# Altium PCB Main_Board.PcbDoc (part 1 of 2) (continued)
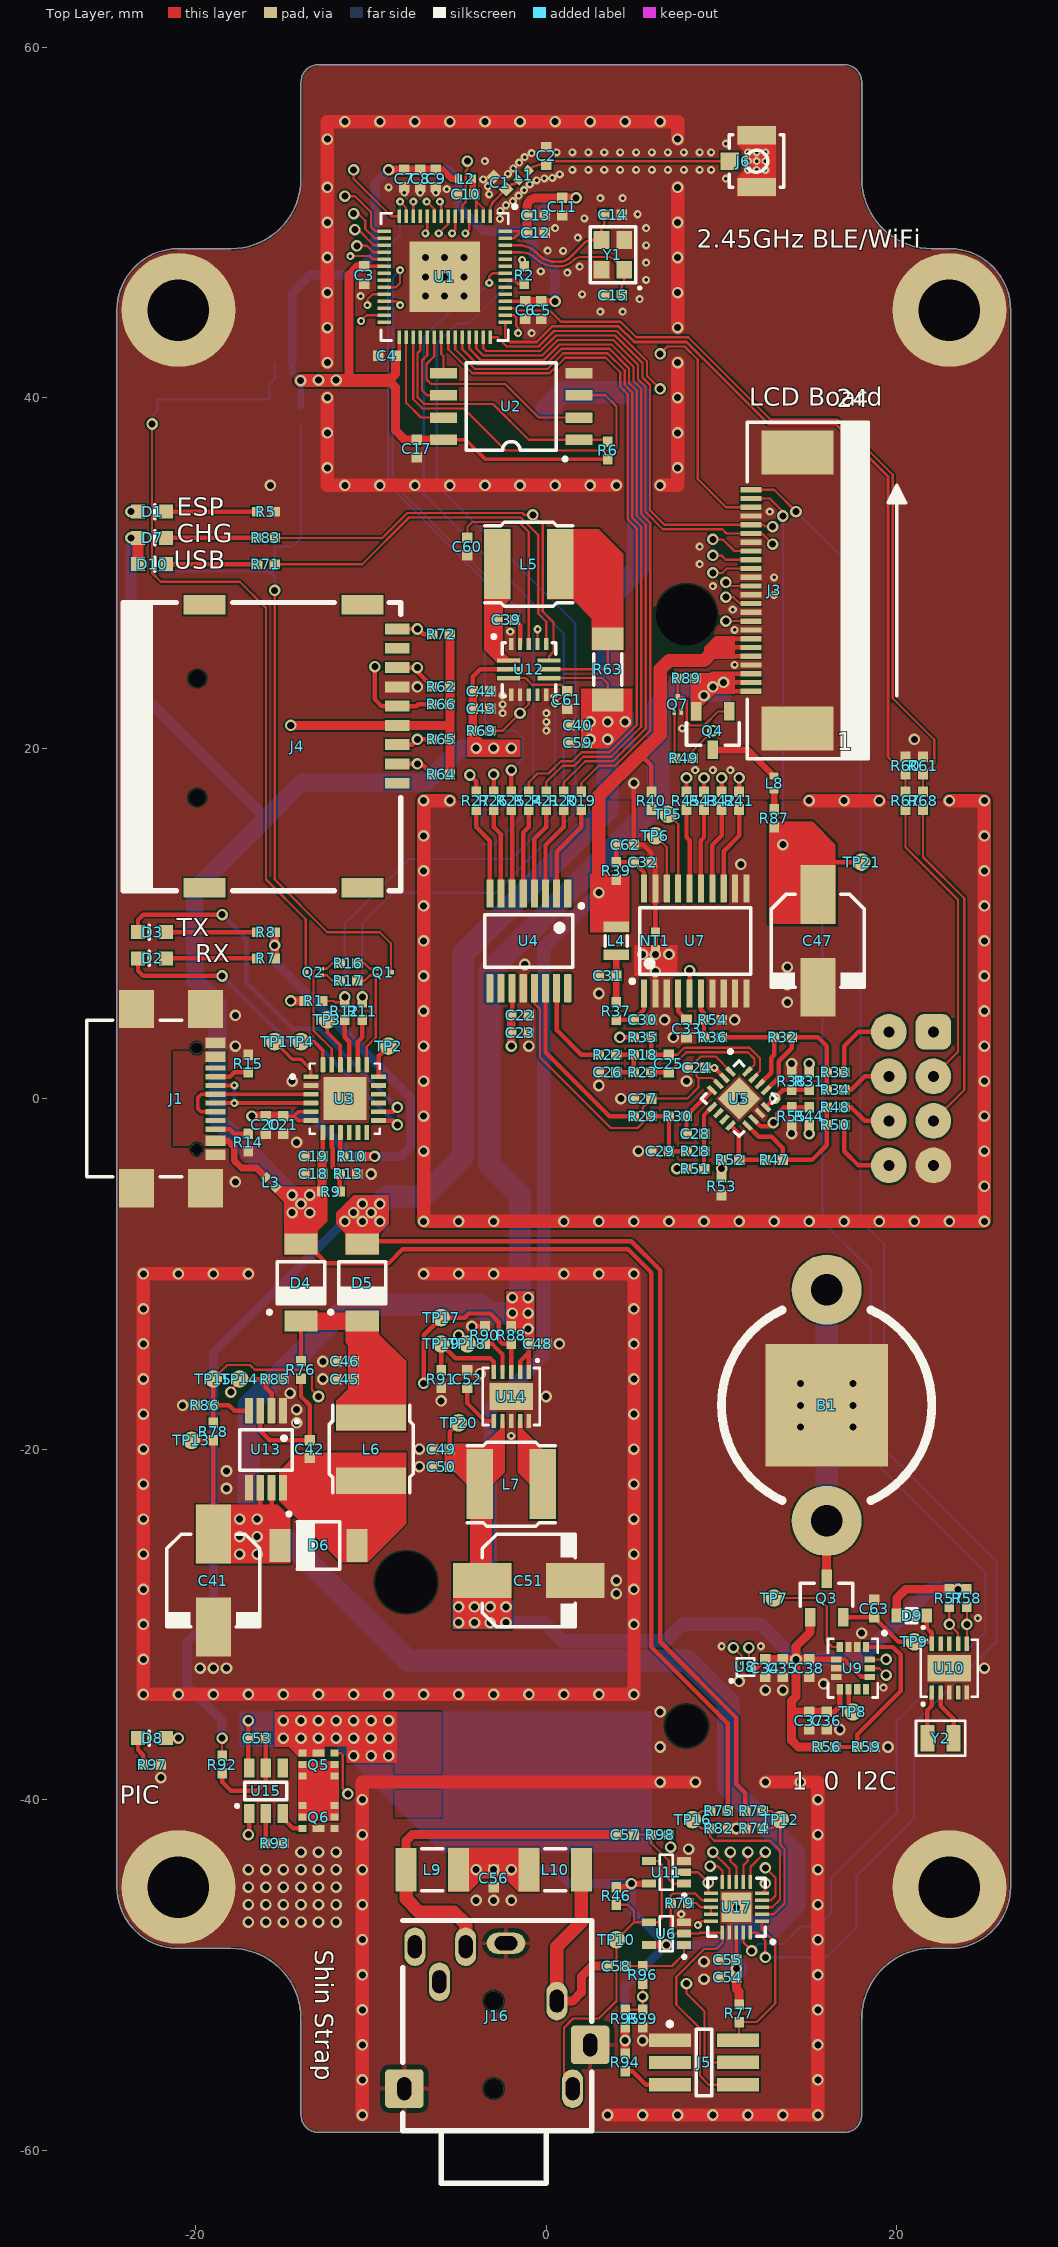
[diagram p0: Top Layer view]
## Components (designator, comment, footprint, x,y, rotation, side; value= is the part's Value field where it differs from the comment) (continued)
TP17 "TESTPOINT" TESTPOINT,SMD,ROUND,1MM -6,-12.5 r90 top
TP18 "TESTPOINT" TESTPOINT,SMD,ROUND,1MM -4.5,-14 r90 top
TP19 "TESTPOINT" TESTPOINT,SMD,ROUND,1MM -6,-14 r90 top
TP20 "TESTPOINT" TESTPOINT,SMD,ROUND,1MM -5,-18.5 r90 top
TP21 "TESTPOINT" TESTPOINT,SMD,ROUND,1MM 18,13.5 r180 top
U1 "ESP32-S3R8" IC,QFN-56,7X7,P0.4MM -5.8,46.9 r270 top
U2 "AT25SF128A-SHB-T" IC,SOIC-8,1.27MM,W5.28 -2,39.5 r180 top
U3 "CP2102N-A02-GQFN24R" IC,VQFN-24,THERMAL,4X4 -11.5,0 r0 top
U4 "PCM1780DBQR" IC,TSSOP-16,W3.9,P0.635MM -1,9 r270 top
U5 "TLV9004SIRTER" IC,QFN-16,3X3 11,0 r315 top
U6 "NS5B1G384DFT2G" SC70-5 6.85,-47.65 r180 top
U7 "MCP3561RT-E/ST" IC,TSSOP-20,W4.4 8.5,9 r90 top
U8 "MMC5633NJL" IC,WLP,2X2,P0.4MM 11.164,-32.627 r90 top
U9 "ISM330DHCXTR" IC,LGA-14L,2.5X3MM 17.5,-32.5 r270 top
U10 "PCF85063ATL/1,118" IC,DFN-10_3X3,P0.5MM 23,-32.5 r90 top
U11 "NS5B1G384DFT2G" SC70-5 6.85,-44.15 r180 top
U12 "MP2615AGQ-Z" IC,QFN-16,3x3,P5x3 -1,24.5 r0 top
U13 "LM2623AMM/NOPB" IC,TSSOP-8,W3.0 -16,-20 r270 top
U14 "RP506K331B-TR" IC,DFN-10_3X3,P0.5MM -2,-17 r270 top
U15 "AP9101CAK6-ANTRG1" SOT23-6 -16,-39.5 r90 top
U17 "PIC18F14Q40-I/REB" IC,QFN-20,3X3,PAD,P0.4 10.85,-46.15 r180 top
Y1 "40MHz" "XTAL,SMD,4 PIN,2X2.5MM" 3.8,48.15 r90 top
Y2 "32.768kHz" XTAL,SMD,2PIN,2.0X1.2MM 22.5,-36.5 r180 top

## Footprints (in the part's own frame and the unit in brackets; to place one, negate y for a bottom-side part, rotate by r counter-clockwise, add the part's x,y. Pads: shape width x height; smd on the part's side, far side on the other; paste and mask are expansions set on the pad)
CAP,ALUM,SMD,D5,H5.8 [mm] "Panasonic EEE-1AA101WR"
  rect 3.35x2 smd: 1(-2.65,0) 2(2.65,0)
  silkscreen extent -2.65,-2.65 2.65,2.65, body extent -2.95,-2.65 2.95,2.65, height 5.41
Cap,Alum,SMD,D5,H5.8 [mm] "Panasonic EEE-1AA101WR"
  rect 3.35x2 smd: 1(-2.65,0) 2(2.65,0)
  silkscreen extent -2.65,-2.65 2.65,2.65, body extent -2.95,-2.65 2.95,2.65, height 5.41
CAP,SMD,0402 [mm] "KEMET C0402C100K5GACTU"
  rect 0.6x0.6 smd: 1(-0.5,0) 2(0.5,0)
  body extent -0.5,-0.25 0.5,0.25, height 0.5
Cap,SMD,0402 [mm] "KEMET C0402C100K5GACTU"
  rect 0.6x0.6 smd: 1(-0.5,0) 2(0.5,0)
  body extent -0.5,-0.25 0.5,0.25, height 0.5
CONN,FFC,BOTTOM,24POS,0.5MM [mm] "Adam Tech PCA-6-LA-24-HL-3"
  rect 2.5x4.1 smd mask+0.05: 0(-7.87,1.325) 0(7.87,1.325)
  rect 0.3x1.2 smd mask+0.05: 1(5.75,-1.325) 2(5.25,-1.325) 3(4.75,-1.325) 4(4.25,-1.325) 5(3.75,-1.325) 6(3.25,-1.325) 7(2.75,-1.325) 8(2.25,-1.325) 9(1.75,-1.325) 10(1.25,-1.325) 11(0.75,-1.325) 12(0.25,-1.325) 13(-0.25,-1.325) 14(-0.75,-1.325) 15(-1.25,-1.325) 16(-1.75,-1.325) 17(-2.25,-1.325) 18(-2.75,-1.325) 19(-3.25,-1.325) 20(-3.75,-1.325) 21(-4.25,-1.325) 22(-4.75,-1.325) 23(-5.25,-1.325) 24(-5.75,-1.325)
  silkscreen extent -9.6,-1.52 9.6,5.38, body extent -9.35,-1.5 9.35,5.1, height 2.3
CONN,JACK,TRS,3.5MM,THRU,SHIELDED [mm] "CUI Devices SJ-435107RS"
  rrect20% 2.2x2.2 hole 0.8 slot 1.3 at 0 deg mask+0.05: 0(2.4,5.1) 0(4.9,-5.5)
  rrect100% 1.2x2.2 hole 0.8 slot 1.3 at 90 deg mask+0.05: 1(10.7,-0.7)
  rrect100% 2.2x1.2 hole 0.8 slot 1.3 at 0 deg mask+0.05: 2(7.4,-3.6) 3(10.5,1.6) 4(2.4,-4.5) 5(8.5,3.1) 6(10.5,4.5)
  round 1.1 hole 1.1 unplated: ""(2.4,0) ""(7.4,0)
  silkscreen extent -3,-5.6 12,5.2, body extent -3,-5.85 12,5.45, height 8.3
CONN,MICROSD,PUSH-PUSH,SMD [mm] "GCT MEM2075-00-140-01-A"
  rect 1.1x2.4 smd mask+0.05: 0(-10.18,-11) 0(-10.18,-2) 0(5.97,-11) 0(5.97,-2)
  round 0 hole 0.95 unplated mask+0.05: 0(-5.98,-11.42) 1(0.82,-11.42)
  rect 0.62x1.4 smd mask+0.05: 1(0,0) 2(-1.1,0) 3(-2.2,0) 4(-3.3,0) 5(-4.4,0) 6(-5.5,0) 7(-6.6,0) 8(-7.7,0) 9(-8.8,0)
  silkscreen extent -10.31,-15.65 6.13,0.2, body extent -10.31,-15.65 6.13,0.2, height 1.4
CONN,SPRING,PISTON,8POS,THRU [mil] "Mill Max Manufacturing Corp. 823-22-008-10-002101"
  rrect50% 80x80 hole 25 mask+1.97: 1(0,0)
  round 80 hole 25 mask+1.97: 2(100,0) 3(200,0) 4(300,0) 5(300,100) 6(200,100) 7(100,100) 8(0,100)
  silkscreen extent -50,-50 350,150, body extent -50,-50 350,150, height 197
CONN,UFL,50Ohm,SMD [mm] "Hirose U.FL-R-SMT-1(40)"
  rect 1x1.05 smd mask+0.05: 1(0,-1.525)
  rect 1.05x2.2 smd mask+0.05: 2(-1.475,0) 2(1.475,0)
  silkscreen extent -1.5,-1.55 1.5,1.55, body extent -1.5,-1.55 1.5,1.55, height 1.24
CONN,USB_C,SMD [mm] "GCT USB4110-GF-A"
  rect 2.18x2 smd: 0(-5.11,0.5) 0(-5.11,-3.43) 0(5.11,0.5) 0(5.11,-3.43)
  rect 0.6x1.15 smd: A1/B12(-3.2,1.075) A4/B9(-2.4,1.075) A9/B4(2.4,1.075) A12/B1(3.2,1.075)
  rect 0.3x1.15 smd: A5(-1.25,1.075) A6(-0.25,1.075) A7(0.25,1.075) A8(1.25,1.075) B5(1.75,1.075) B6(0.75,1.075) B7(-0.75,1.075) B8(-1.75,1.075)
  round 0.65 hole 0.65 unplated: ""(-2.89,0) ""(2.89,0)
  silkscreen extent -4.47,-6.28 4.47,-0.86, body extent -5.65,-6.28 5.65,1.42, height 3.26
HOLDER,CELL,18650,SMD [mm] "Keystone Electronics 1042"
  round 0 hole 3.5 unplated mask+0.05: 0(-27.6,-8) 0(27.6,8)
  round 0 hole 2.4 unplated mask+0.05: 0(35.8,-8)
  rect 7.3x12 smd mask+0.05: 1(-39.35,0) 2(39.35,0)
  silkscreen extent -39,-10.33 39,10.33, body extent -43,-10.33 43,10.33, height 14.86
HOLDER,CELL,LR44,PCB,THRU [mm] "Keystone Electronics 2997"
  round 4 hole 1.8 mask+0.05: 1(-6.6,0) 1(6.6,0)
  rect 7x7 smd mask+0.05: 2(0,0)
  silkscreen extent -5.44,-6 5.44,6, body extent -7.45,-5.08 7.45,6.98, height 6.25
IC,DFN-10_3X3,P0.5MM [mil] "Microchip Technology MCP73833-BZI/MF"
  rect 32x10 smd paste+0 mask+1.97: 1(-55,39.37) 2(-55,19.68) 3(-55,0) 4(-55,-19.69) 5(-55,-39.37) 6(55,-39.37) 7(55,-19.69) 8(55,0) 9(55,19.68) 10(55,39.37)
  rect 60x98 smd paste+0 mask+0: 11(0,0)
  silkscreen extent -84,-64 64,64, body extent -59,-59 59,59, height 37
IC,LGA-14L,2.5X3MM [mil] "STMicroelectronics ISM330DHCXTR"
  rect 23x14 smd paste+0 mask+1.97: 1(-47.5,29.54) 2(-47.5,9.85) 3(-47.5,-9.85) 4(-47.5,-29.54) 8(47.5,-29.54) 9(47.5,-9.85) 10(47.5,9.85) 11(47.5,29.54)
  rect 14x23 smd paste+0 mask+1.97: 5(-19.69,-37.74) 6(0,-37.74) 7(19.69,-37.74) 12(19.69,37.74) 13(0,37.74) 14(-19.69,37.74)
  silkscreen extent -82,-56 66,75, body extent -61,-51 61,51, height 65
IC,QFN-16,3X3 [mm] "Nordic Semiconductor NRF24L01P"
  rect 0.65x0.25 smd: 1(-1.425,0.75) 2(-1.425,0.25) 3(-1.425,-0.25) 4(-1.425,-0.75) 9(1.425,-0.75) 10(1.425,-0.25) 11(1.425,0.25) 12(1.425,0.75)
  rect 0.25x0.65 smd: 5(-0.75,-1.425) 6(-0.25,-1.425) 7(0.25,-1.425) 8(0.75,-1.425) 13(0.75,1.425) 14(0.25,1.425) 15(-0.25,1.425) 16(-0.75,1.425)
  rect 1.7x1.7 smd mask+0.05: 17(0,0)
  silkscreen extent -2.35,-1.53 1.53,1.65, body extent -1.52,-1.55 1.52,1.49, height 0.9
IC,QFN-16,3x3,P5x3 [mm] "Nordic Semiconductor NRF24L01P"
  rect 1.3x0.25 smd mask+0.05: 1(-1.15,0.5) 2(-1.15,0) 3(-1.15,-0.5) 9(1.15,-0.5) 10(1.15,0) 11(1.15,0.5)
  rect 0.25x0.7 smd mask+0.05: 4(-1,-1.45) 5(-0.5,-1.45) 6(0,-1.45) 7(0.5,-1.45) 8(1,-1.45) 12(1,1.45) 13(0.5,1.45) 14(0,1.45) 15(-0.5,1.45) 16(-1,1.45)
  silkscreen extent -2.1,-1.53 1.53,1.96, body extent -1.5,-1.5 1.5,1.5, height 1.1
IC,QFN-20,3X3,PAD,P0.4 [mm] "Semtech SX1508B"
  rect 0.8x0.2 smd mask+0.05: 1(-1.45,0.8) 2(-1.45,0.4) 3(-1.45,0) 4(-1.45,-0.4) 5(-1.45,-0.8) 11(1.45,-0.8) 12(1.45,-0.4) 13(1.45,0) 14(1.45,0.4) 15(1.45,0.8)
  rect 0.2x0.8 smd mask+0.05: 6(-0.8,-1.45) 7(-0.4,-1.45) 8(0,-1.45) 9(0.4,-1.45) 10(0.8,-1.45) 16(0.8,1.45) 17(0.4,1.45) 18(0,1.45) 19(-0.4,1.45) 20(-0.8,1.45)
  rect 1.7x1.7 smd mask+0.05: 21(0,0)
  silkscreen extent -2.17,-1.65 1.65,2.07, body extent -1.55,-1.55 1.55,1.55, height 0.6
IC,QFN-56,7X7,P0.4MM [mil] "Espressif Systems ESP32-S2"
  rect 30x8 smd paste+0 mask+0: 1(-136,102.36) 2(-136,86.61) 3(-136,70.87) 4(-136,55.12) 5(-136,39.37) 6(-136,23.62) 7(-136,7.87) 8(-136,-7.87) 9(-136,-23.62) 10(-136,-39.37) 11(-136,-55.12) 12(-136,-70.87) 13(-136,-86.61) 14(-136,-102.36) 29(136,-102.36) 30(136,-86.61) 31(136,-70.87) 32(136,-55.12) 33(136,-39.37) 34(136,-23.62) 35(136,-7.87) 36(136,7.87) 37(136,23.62) 38(136,39.37) 39(136,55.12) 40(136,70.87) 41(136,86.61) 42(136,102.36)
  rect 8x30 smd paste+0 mask+0: 15(-102.36,-136) 16(-86.61,-136) 17(-70.87,-136) 18(-55.12,-136) 19(-39.37,-136) 20(-23.62,-136) 21(-7.87,-136) 22(7.87,-136) 23(23.62,-136) 24(39.37,-136) 25(55.12,-136) 26(70.87,-136) 27(86.61,-136) 28(102.36,-136) 43(102.36,136) 44(86.61,136) 45(70.87,136) 46(55.12,136) 47(39.37,136) 48(23.62,136) 49(7.87,136) 50(-7.87,136) 51(-23.62,136) 52(-39.37,136) 53(-55.12,136) 54(-70.87,136) 55(-86.61,136) 56(-102.36,136)
  rect 158x158 smd paste-78.5 mask+0: 57(0,0)
  silkscreen extent -161,-143 143,161, body extent -139,-139 139,139, height 35
IC,SOIC-8,1.27MM,W5.28 [mm] "Winbond W25Q64JV"
  rrect10% 1.55x0.6 smd mask+0.05: 1(-3.87,1.905) 2(-3.87,0.635) 3(-3.87,-0.635) 4(-3.87,-1.905) 5(3.87,-1.905) 6(3.87,-0.635) 7(3.87,0.635) 8(3.87,1.905)
  silkscreen extent -3.14,-2.5 2.57,3.07, body extent -4.05,-2.73 4.05,2.73, height 1.75
IC,TSSOP-8,W3.0 [mm] "Texas Instruments LM393ADGKR"
  rrect10% 1.45x0.45 smd mask+0.05: 1(-2.2,0.975) 2(-2.2,0.325) 3(-2.2,-0.325) 4(-2.2,-0.975) 5(2.2,-0.975) 6(2.2,-0.325) 7(2.2,0.325) 8(2.2,0.975)
  silkscreen extent -1.61,-1.5 1.2,1.81, body extent -2.05,-1.55 2.05,1.55, height 1.1
IC,TSSOP-16,W3.9,P0.635MM [mm] "Texas Instruments PCM1780DBQR"
  rrect10% 1.6x0.41 smd mask+0.05: 1(-2.7,2.222) 2(-2.7,1.587) 3(-2.7,0.952) 4(-2.7,0.317) 5(-2.7,-0.318) 6(-2.7,-0.953) 7(-2.7,-1.588) 8(-2.7,-2.223) 9(2.7,-2.222) 10(2.7,-1.587) 11(2.7,-0.953) 12(2.7,-0.317) 13(2.7,0.318) 14(2.7,0.953) 15(2.7,1.588) 16(2.7,2.223)
  silkscreen extent -2.09,-2.5 1.5,3.09, body extent -3,-2.49 3,2.49, height 1.1
IC,TSSOP-20,W4.4 [mm] "Texas Instruments SN74LVC244APWR"
  rrect10% 1.6x0.35 smd mask+0.05: 1(-3,2.925) 2(-3,2.275) 3(-3,1.625) 4(-3,0.975) 5(-3,0.325) 6(-3,-0.325) 7(-3,-0.975) 8(-3,-1.625) 9(-3,-2.275) 10(-3,-2.925) 11(3,-2.925) 12(3,-2.275) 13(3,-1.625) 14(3,-0.975) 15(3,-0.325) 16(3,0.325) 17(3,0.975) 18(3,1.625) 19(3,2.275) 20(3,2.925)
  silkscreen extent -2.39,-3.17 1.9,3.69, body extent -3.27,-3.3 3.28,3.3, height 1.2
IC,VQFN-24,THERMAL,4X4 [mm] "Texas Instruments BQ24616RGET"
  rrect25% 0.86x0.27 smd: 1(-1.935,1.25) 2(-1.935,0.75) 3(-1.935,0.25) 4(-1.935,-0.25) 5(-1.935,-0.75) 6(-1.935,-1.25) 13(1.935,-1.25) 14(1.935,-0.75) 15(1.935,-0.25) 16(1.935,0.25) 17(1.935,0.75) 18(1.935,1.25)
  rrect25% 0.27x0.86 smd: 7(-1.25,-1.935) 8(-0.75,-1.935) 9(-0.25,-1.935) 10(0.25,-1.935) 11(0.75,-1.935) 12(1.25,-1.935) 19(1.25,1.935) 20(0.75,1.935) 21(0.25,1.935) 22(-0.25,1.935) 23(-0.75,1.935) 24(-1.25,1.935)
  rect 2.45x2.45 smd paste-0.45: 25(0,0)
  silkscreen extent -3.07,-2 2,2, body extent -2,-2 2,2, height 1
IC,WDFN-6,P0.65 [mm] "ON Semiconductor FDMA6676PZ"
  rect 0.4x0.475 smd mask+0.05: 1(-0.65,-0.913) 1(-0.65,0.913) 1(0,0.912) 1(0,-0.912) 2(0.65,-0.913) 3(0.65,0.913)
  rect 0.4x0.66 smd mask+0.05: 3(0.65,0)
  Top Layer region: -0.85,-0.913 -0.85,0.912 0.2,0.912 0.2,-0.912
  body extent -1,-1 1,1, height 0.76
IC,WLP,2X2,P0.4MM [mm] "Memsic Inc. MMC5633NJL"
  round 0.23 smd mask+0.05: A1(0,0) A2(0.4,0) B1(0,-0.4) B2(0.4,-0.4)
  silkscreen extent -0.67,-0.7 0.7,0.67, body extent -0.24,-0.64 0.64,0.24, height 0.61
IND,0402 [mm] "Murata LQW15AN9N1G00D"
  rect 0.4x0.5 smd: 1(-0.4,0) 2(0.4,0)
  body extent -0.56,-0.26 0.56,0.26, height 0.65
IND,0805 [mm] "Taiyo Yuden LBR2012T100K"
  rect 0.6x1.45 smd mask+0.05: 1(-0.8,0) 2(0.8,0)
  silkscreen extent -0.3,-0.63 0.3,0.63, body extent -1,-0.62 1,0.63, height 0.49
IND,1210 [mm] "Taiyo Yuden CBC3225T102MR"
  rect 1.2x2.5 smd: 1(-1.5,0) 2(1.5,0)
  silkscreen extent -0.6,-1.2 0.6,1.2, body extent -1.6,-1.25 1.6,1.25, height 0.96
IND,WIREWOUND,4.9x4.9,SMD [mm] "Taiyo Yuden NRS5030T4R7MMGJV"
  rect 1.5x4 smd mask+0.05: 1(-1.8,0) 2(1.8,0)
  silkscreen extent -2.5,-2.4 2.5,2.4, body extent -2.45,-2.45 2.45,2.45, height 3
IND,WIREWOUND,4.9X4.9,SMD [mm] "Taiyo Yuden NRS5030T4R7MMGJV"
  rect 1.5x4 smd mask+0.05: 1(-1.8,0) 2(1.8,0)
  silkscreen extent -2.5,-2.4 2.5,2.4, body extent -2.45,-2.45 2.45,2.45, height 3
LED,0603 [mm] "Stanley Electric Co THG1111C-0005-TR"
  rect 0.8x0.8 smd mask+0.05: 1(-0.8,0) 2(0.8,0)
  silkscreen extent 0.15,-0.4 0.15,0.4, body extent -0.81,-0.37 0.84,0.36, height 0.68
"Net Tie,20x60mil" [mil] "Net Tie,20x60mil,10mil Track"
  rect 20x20 smd mask+4: 1(-20,0) 2(20,0)
  Top Layer region: -10.16,-5.91 10.32,-5.91 10.32,5.9 -10.16,5.9
RES,0402 [mm] "Yageo RC0402FR-0722RL"
  rect 0.6x0.55 smd: 1(-0.5,0) 2(0.5,0)
  body extent -0.5,-0.25 0.5,0.25, height 0.35
RES,1206 [mm] "Stackpole Electronics CSRF1206FT10L0"
  rect 1.3x1.8 smd mask+0.05: 1(-1.75,0) 2(1.75,0)
  silkscreen extent -0.9,-0.8 0.9,0.8, body extent -1.6,-0.8 1.6,0.8, height 0.55
SC70-5 [mm] "ON Semiconductor NS5B1G384DFT2G"
  rect 0.8x0.45 smd mask+0.05: 1(-1,0.65) 2(-1,0) 3(-1,-0.65) 4(1,-0.65) 5(1,0.65)
  silkscreen extent -1.1,-1 0.37,1.4, body extent -1.05,-1 1.05,1, height 0.95
SOD128 [mm] "Nexperia PMEG6030EVPX"
  rect 1.2x1.9 smd mask+0.05: 1(-2.2,0) 2(2.2,0)
  silkscreen extent -1.76,-1.35 1.2,1.88, body extent -2.5,-1.35 2.5,1.35, height 1.1
SOD523 [mm] "Micro Commercial BZT52C2V4T"
  rect 0.6x0.8 smd mask+0.05: 1(-0.85,0) 2(0.85,0)
  silkscreen extent -0.68,-0.4 0.3,0.7, body extent -0.8,-0.4 0.8,0.4, height 0.7
SOT23-3 [mm] "Texas Instruments TL431BIDBZR"
  rect 1.05x0.6 smd: 1(-1.1,0.95) 2(-1.1,-0.95) 3(1.1,0)
  silkscreen extent -0.46,-1.5 0.84,1.5, body extent -1.25,-1.46 1.23,1.46, height 1
SOT23-6 [mm] "Texas Instruments SN74LVC1G18DBVR"
  rect 1.1x0.6 smd mask+0.05: 1(-1.3,0.95) 2(-1.3,0) 3(-1.3,-0.95) 4(1.3,-0.95) 5(1.3,0) 6(1.3,0.95)
  silkscreen extent -0.91,-1.2 0.5,1.69, body extent -1.22,-1.4 1.2,1.4, height 1.09
SOT1123 [mm] "ON Semiconductor NST3904F3T5G"
  rect 0.34x0.2 smd: 1(-0.43,0.19) 2(-0.43,-0.19)
  rect 0.34x0.26 smd: 3(0.43,0)
  body extent -0.51,-0.3 0.51,0.3, height 0.4
SWITCH,TACTILE,MICRO,SPST-NO,SMD [mm] "C&K PTS645SK43SMTR92 LFS"
  rect 1.6x1 smd mask+0.05: 1(-3.2,1.9) 2(3.2,1.9) 3(-3.2,-1.9) 4(3.2,-1.9)
  silkscreen extent -2,-2.25 2,2.25, body extent -3.2,-2.6 3.2,2.6, height 1.5
TERM,HEADER,3X2PIN,P1.27,SMD [mm] "Amphenol ICC (FCI) 20021121-00006C4LF"
  rect 2.4x0.76 smd mask+0.05: 1(-1.95,1.27) 2(-1.95,0) 3(-1.95,-1.27) 4(1.95,-1.27) 5(1.95,0) 6(1.95,1.27)
  silkscreen extent -2.07,-1.91 0.45,2.31, body extent -2.75,-1.91 2.75,1.91, height 4.5
TESTPOINT,SMD,ROUND,1MM [mm]
  round 1 smd: 1(0,0)
testpoint,smd,round,1mm [mm]
  round 1 smd: 1(0,0)
XTAL,SMD,2PIN,2.0X1.2MM [mm] "Micro Crystal AG CM8V-T1A-32.768KHZ-9PF-20PPM-TA-QC"
  rect 0.8x1.5 smd: 1(-0.75,0) 2(0.75,0)
  silkscreen extent -1.4,-1 1.4,1, body extent -1,-0.6 1,0.6, height 0.6
"XTAL,SMD,4 PIN,2X2.5MM" [mm] "Hosonic Electronic Co., Ltd E2SB40E000104E"
  rect 1x0.9 smd: 1(-0.85,-0.65) 2(0.85,-0.65) 3(0.85,0.65) 4(-0.85,0.65)
  silkscreen extent -1.94,-1.58 1.6,1.3, body extent -1.25,-1 1.25,1, height 0.65

## Part data
B1: library part Holder,Cell,LR44,PCB,Thru, "Battery Retainer Coin, 11.6mm 1 Cell PC Pin", Manufacturer="Keystone Electronics", Manufacturer Part Number=2997, Vendor Part Number=36-2997-ND, CreatedBy="Judd Foster", HelpURL=https://www.keyelco.com/userAssets/file/M65p7.pdf, Vendor=Digikey
BT1: "Battery Holder (Open) 18650 1 Cell SMD (SMT) Tab", Manufacturer="Keystone Electronics", Manufacturer Part Number=1042, Vendor Part Number=36-1042-ND, CreatedBy="Judd Foster", HelpURL=https://www.keyelco.com/userAssets/file/M65p27.pdf, Vendor=Digikey
C1 C42: library part CAP,Cer,4.8pF,50VDC,C0G/NP0,0402, "4.8 pF ±0.25pF 50V Ceramic Capacitor C0G, NP0 0402 (1005 Metric)", Manufacturer="Murata Electronics", Manufacturer Part Number=GCQ1555C1H4R8CB01D, Vendor Part Number=490-17481-1-ND, CreatedBy="Judd Foster", HelpURL=https://search.murata.co.jp/Ceramy/image/img/A01X/G101/ENG/GCQ1555C1H4R8CB01-01.pdf, Vendor=Digikey
C2: library part CAP,Cer,3.9pF,50VDC,C0G/NP0,0402, "3.9 pF ±0.1pF 50V Ceramic Capacitor C0G, NP0 0402 (1005 Metric)", Manufacturer=KEMET, Manufacturer Part Number=CBR04C399B5GAC, Vendor Part Number=399-CBR04C399B5GACCT-ND, CreatedBy="Judd Foster", HelpURL=https://api.kemet.com/component-edge/download/datasheet/CBR04C399B5GAC.pdf, Vendor=Digikey
C3 C4 C6 C9 C10 C17 C19 C21 C22 C24 C25 C26 C28 C29 C30 C32 C34 C36 C38 C39 C52 C53 C55 C57 C58: library part CAP,Cer,100nF,25VDC,X7R,0402, "0.1µF ±10% 25V Ceramic Capacitor X7R 0402 (1005 Metric)", Manufacturer="Murata Electronics", Manufacturer Part Number=GRM155R71E104KE14J, Vendor Part Number=490-14603-1-ND, CreatedBy="Judd Foster", HelpURL=https://search.murata.co.jp/Ceramy/image/img/A01X/G101/ENG/GRM155R71E104KE14-01.pdf, Vendor=Digikey
C5 C8 C11 C35 C37 C54 C60 C61: library part CAP,Cer,1uF,35VDC,X5R,0402, "1 µF ±10% 35V Ceramic Capacitor X5R 0402 (1005 Metric)", Manufacturer="TDK Corporation", Manufacturer Part Number=C1005X5R1V105K050BC, Vendor Part Number=445-9073-1-ND, CreatedBy="Judd Foster", HelpURL=https://product.tdk.com/info/en/catalog/datasheets/mlcc_commercial_general_en.pdf?ref_disty=digikey, Vendor=Digikey
C7 C23 C27 C31 C33 C40 C43 C44 C45 C46 C48 C49 C50 C56 C59 C62 C63: library part CAP,Cer,10uF,10VDC,X5R,0402, "10 µF ±20% 10V Ceramic Capacitor X5R 0402 (1005 Metric)", Manufacturer="Samsung Electro-Mechanics", Manufacturer Part Number=CL05A106MP5NUNC, Vendor Part Number=1276-1450-1-ND, CreatedBy="Judd Foster", HelpURL=https://media.digikey.com/pdf/Data%20Sheets/Samsung%20PDFs/CL05A106MP5NUNC_Spec.pdf, Vendor=Digikey
C12 C13: library part CAP,Cer,100pF,50VDC,C0G/NP0,0402, "100pF ±5% 50V Ceramic Capacitor C0G, NP0 0402 (1005 Metric)", Manufacturer="Murata Electronics", Manufacturer Part Number=GCM1555C1H101JA16D, Vendor Part Number=490-10669-1-ND, CreatedBy="Judd Foster", HelpURL=https://www.murata.com/~/media/webrenewal/support/library/catalog/products/capacitor/mlcc/c03e.ashx?la=en-us, Vendor=Digikey
C14 C15: library part CAP,Cer,12pF,50VDC,C0G/NP0,0402, "12pF ±5% 50V Ceramic Capacitor C0G, NP0 0402 (1005 Metric)", Manufacturer=Yageo, Manufacturer Part Number=CC0402JRNPO9BN120, Vendor Part Number=311-1016-1-ND, CreatedBy="Judd Foster", HelpURL=https://www.yageo.com/upload/media/product/productsearch/datasheet/mlcc/UPY-GP_NP0_16V-to-50V_18.pdf, Vendor=Digikey
C16: library part CAP,Cer,1uF,6.3VDC,X5R,0402, "1µF ±20% 6.3V Ceramic Capacitor X5R 0402 (1005 Metric)", Manufacturer="Samsung Electro-Mechanics", Manufacturer Part Number=CL05A105MQ5NNNC, Vendor Part Number=1276-1235-1-ND, CreatedBy="Judd Foster", HelpURL=https://media.digikey.com/pdf/Data%20Sheets/Samsung%20PDFs/CL_Series_MLCC_ds.pdf, Vendor=Digikey
C18 C20: library part CAP,Cer,4.7uF,16VDC,X5R,0402, "4.7 µF ±20% 16V Ceramic Capacitor X5R 0402 (1005 Metric)", Manufacturer="AVX Corporation", Manufacturer Part Number=0402YD475MAT2A, Vendor Part Number=478-10788-1-ND, CreatedBy="Judd Foster", HelpURL=https://datasheets.avx.com/cx5r.pdf, Vendor=Digikey
C41 C47 C51: library part CAP,Alum,100uF,10VDC,SMD, "CAP ALUM 100UF 20% 10V SMD", Manufacturer=Panasonic, Manufacturer Part Number=EEE-1AA101WR, Vendor Part Number=PCE3867CT-ND, CreatedBy="Judd Foster", HelpURL=https://media.digikey.com/pdf/Data%20Sheets/Panasonic%20Electronic%20Components/S_Series,Type_V_Rev2018.pdf, Vendor=Digikey
D1 D2 D3 D7 D8 D10: library part LED,Green,SMD,0603, "Green 530nm LED Indication - Discrete 3V 0603 (1608 Metric)", Manufacturer="Stanley Electric Co", Manufacturer Part Number=THG1111C-0005-TR, Vendor Part Number=404-1286-1-ND, CreatedBy="Judd Foster", HelpURL=http://www.stanley-components.com/php/downloaddatafile.php?rp=0,THG1111C-0005_e.pdf, Vendor=Digikey
D4 D5 D6: library part DIODE,Schottky,40V,3A,SMD, "Diode Schottky 40V 3A Surface Mount CFP5", Manufacturer="Nexperia USA Inc.", Vendor Part Number=1727-5841-1-ND, CreatedBy="Judd Foster", HelpURL=https://assets.nexperia.com/documents/data-sheet/PMEG4030EP.pdf, Manufacturer Part Number=PMEG4030EP,115, Vendor=Digikey
D9: library part DIODE,Gen,75V,200mA,SOD523F, "Diode Standard 75 V 200mA Surface Mount SOD-523F", Manufacturer="ON Semiconductor", Vendor Part Number=1N4148WTCT-ND, CreatedBy="Judd Foster", HelpURL=https://rocelec.widen.net/view/pdf/bnxdzepaue/ONSM-S-A0003584797-1.pdf?t.download=true&u=5oefqw, Manufacturer Part Number=1N4148WT, Vendor=Digikey
J1: library part Conn,USB_C,SMD, "USB-C (USB TYPE-C) USB 2.0 Receptacle Connector 24 (16+8 Dummy) Position Surface Mount, Right Angle", Manufacturer=GCT, Manufacturer Part Number=USB4110-GF-A, Vendor Part Number=2073-USB4110-GF-A-1-ND, CreatedBy="Judd Foster", HelpURL=https://gct.co/files/drawings/usb4110.pdf, Vendor=Digikey